# Altium PCB SMAQ_PCB_Design.PcbDoc (continued)
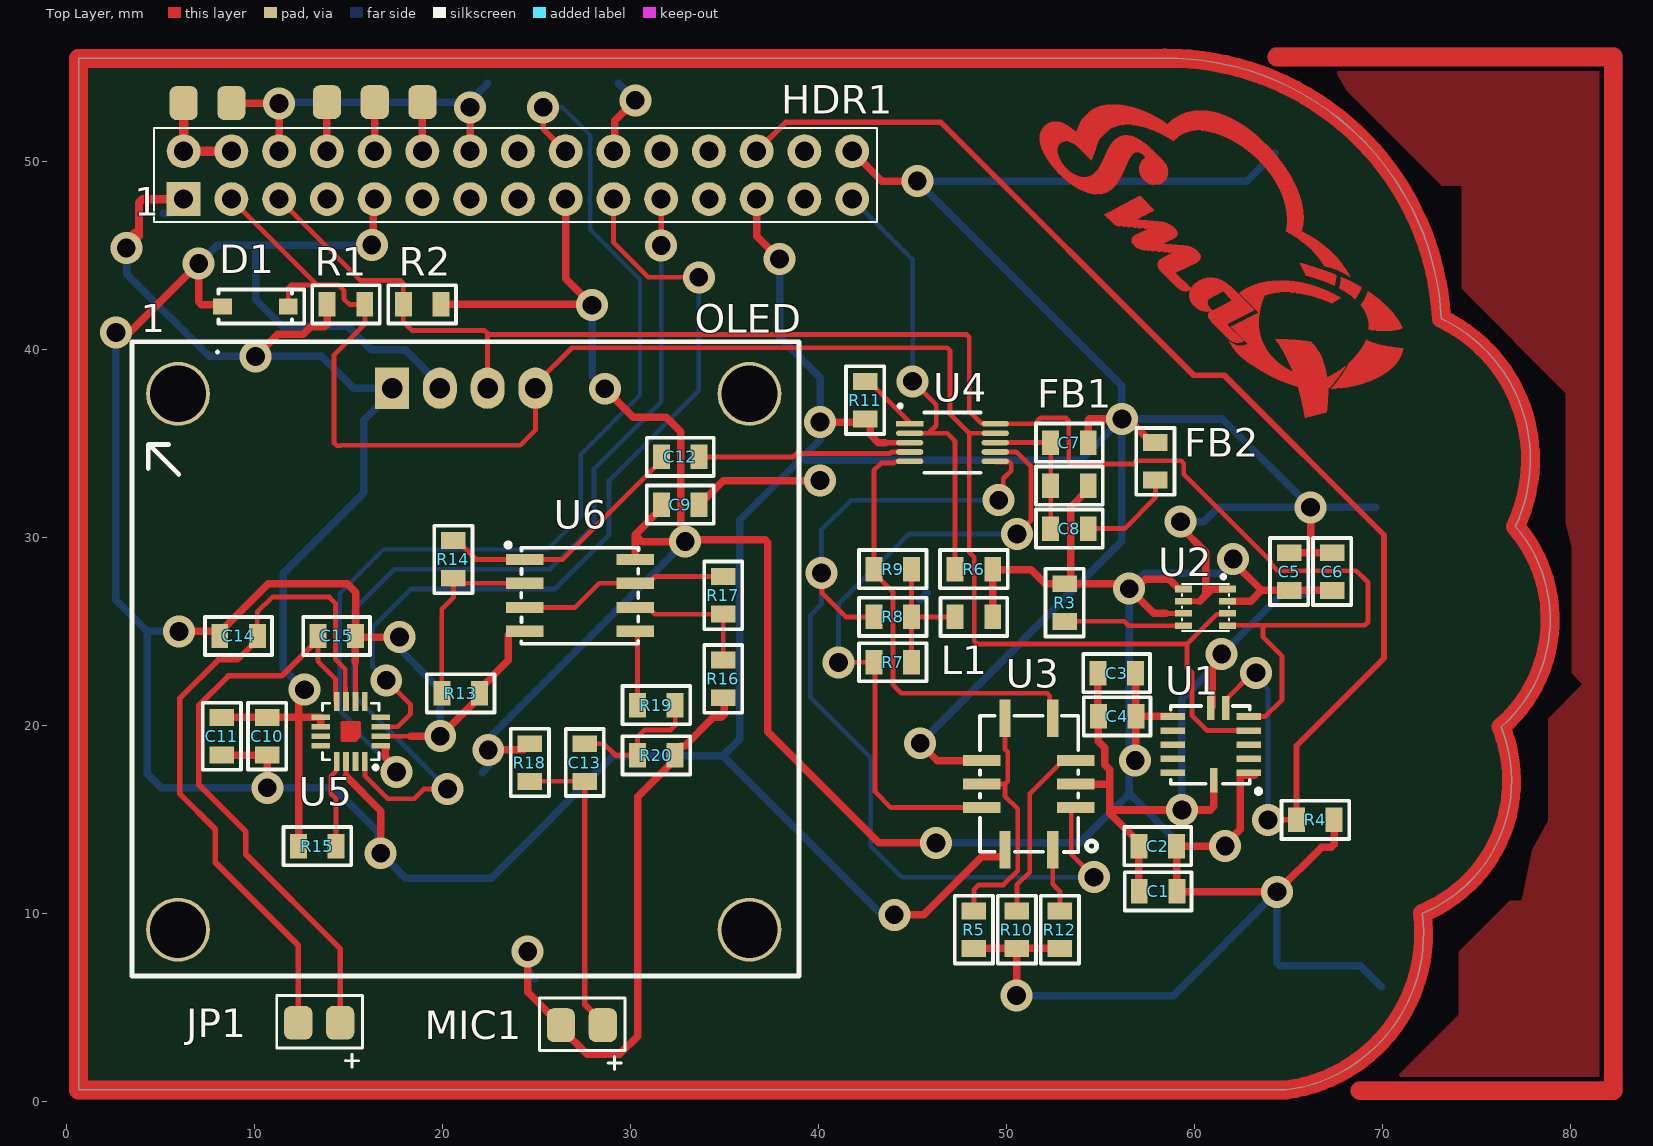
[diagram p0: Top Layer view]
## Part data (continued)
U5: library part MAX98357AETE+T, "IC AUDIO AMP CLASS D 16-TQFN", Manufacturer 1=Maxim, Max Operating Temperature=85°C, Max Output Current=1.6A, Max Output Power=3.2W, Max Power Dissipation=1.666W, Max Supply Voltage=5.5V, Min Operating Temperature=-40°C, Min Supply Voltage=2.5V, Power Supply Rejection Ratio (PSRR)=77dB, Supplier Part Number 1=700-MAX98357AETE+T, Voltage Gain=15dB, Category 1="Amplifiers - Audio", ComponentLink1Description=https://datasheet.ciiva.com/29970/max98357a-max98357b-29970280.pdf?src-supplier=Avnet, ComponentLink1URL=https://datasheet.ciiva.com/29970/max98357a-max98357b-29970280.pdf?src-supplier=Avnet, Contact Plating=Tin,Matte, Description 1="IC AUDIO AMP CLASS D 16-TQFN", Manufacturer Part Number 1=MAX98357AETE+T, Mount="Surface Mount", Number of Pins=16, Packaging="Tape and Reel", Radiation Hardening=No, RoHS=Yes, Stock 1=6162, Supplier 1=Mouser
U6: library part LM358DR, "IC OPAMP GP 700KHZ 8SOIC", Case/Package=SOIC, Dual Supply Voltage=9V, Input Bias Current=250nA, Input Offset Voltage (Vos)=7mV, Manufacturer 1="Texas Instruments", Max Dual Supply Voltage=16V, Max Operating Temperature=70°C, Max Supply Voltage=32V, Min Dual Supply Voltage=1.5V, Min Operating Temperature=0°C, Min Supply Voltage=3V, Nominal Supply Current=1.2mA, Operating Supply Current=1mA, Output Current=30mA, Package Quantity=2500, Power Supply Rejection Ratio (PSRR)=65dB, Supplier Part Number 1=595-LM358DR, Voltage Gain=100dB, Bandwidth=700kHz, Category 1="Amplifiers - Op Amps, Buffer, Instrumentation", Common Mode Rejection Ratio=65dB, ComponentLink1Description=https://datasheet.ciiva.com/1795/lm358-1795488.pdf?src-supplier=Digi-Key, ComponentLink1URL=https://datasheet.ciiva.com/1795/lm358-1795488.pdf?src-supplier=Digi-Key, ComponentLink2Description=https://datasheet.ciiva.com/27056/2016330-27056228.pdf?src-supplier=Jameco, ComponentLink2URL=https://datasheet.ciiva.com/27056/2016330-27056228.pdf?src-supplier=Jameco, ComponentLink3Description=https://datasheet.ciiva.com/26847/lm358dr-26847142.pdf?src-supplier=IIIC, ComponentLink3URL=https://datasheet.ciiva.com/26847/lm358dr-26847142.pdf?src-supplier=IIIC, ComponentLink4Description=https://datasheet.ciiva.com/2973/lm358a-2973386.pdf?src-supplier=Avnet, ComponentLink4URL=https://datasheet.ciiva.com/2973/lm358a-2973386.pdf?src-supplier=Avnet, ComponentLink5Description=https://datasheet.ciiva.com/46390/1874566-46390414.pdf?src-supplier=Element14, ComponentLink5URL=https://datasheet.ciiva.com/46390/1874566-46390414.pdf?src-supplier=Element14, ComponentLink6Description=https://datasheet.ciiva.com/7709/1874566-7709823.pdf?src-supplier=Element14, ComponentLink6URL=https://datasheet.ciiva.com/7709/1874566-7709823.pdf?src-supplier=Element14, ComponentLink7Description=https://datasheet.ciiva.com/1795/lm358-1795489.pdf?src-supplier=Digi-Key, ComponentLink7URL=https://datasheet.ciiva.com/1795/lm358-1795489.pdf?src-supplier=Digi-Key, ComponentLink8Description=https://datasheet.ciiva.com/46385/1874566-46385851.pdf?src-supplier=Element14, ComponentLink8URL=https://datasheet.ciiva.com/46385/1874566-46385851.pdf?src-supplier=Element14, ComponentLink9Description=https://datasheet.ciiva.com/1795/lm358-1795487.pdf?src-supplier=Digi-Key, ComponentLink9URL=https://datasheet.ciiva.com/1795/lm358-1795487.pdf?src-supplier=Digi-Key, Contact Plating=Gold, Description 1="IC OPAMP GP 700KHZ 8SOIC", Gain Bandwidth Product=700kHz, Height=1.58mm, Lead Free="Lead Free", Length=4.9mm, Manufacturer Part Number 1=LM358DR, Mount="Surface Mount", Number of Amplifiers=2, Number of Channels=2, Number of Circuits=2, Number of Elements=2, Number of Pins=8, Operating Supply Voltage=16V, Output Current per Channel=30mA, Packaging="Tape and Reel", Radiation Hardening=No, REACH SVHC="No SVHC", RoHS=Yes, Slew Rate=0.3V/µs, Stock 1=15836, Supplier 1=Mouser, Unity Gain Bandwidth Product=700kHz, Width=3.91mm

## Free pads (board coordinates)
  rrect50% 1.5x1.8 smd mask+0.05: 2(6.223,53.125) 3(13.843,53.175) 4(16.389,53.175) 5(18.923,53.175) 6(8.763,53.125)

## Via types
v1: diameter 1.7, hole 1, Top Layer to Bottom Layer, 51 vias

## Nets (pads, with @x,y where several pads share a name; then routed paths per layer and width w, separated by ;. In a path a pad name is that pad's centre, name@x,y a point inside that pad or via, vN(x,y) a via of type N, cw(c..) or ccw(c..) an arc to the next point about the centre after c; other vN are vias at no path point)
+3V3: C1.2 C2.2 C3.2 C4.1 C5.2 C6.2 C9.1 C10.2 C11.2 FB1.2 HDR1.1 HDR1.17 L1.1 OLED.1 R1.2 R2.2 R3.2 R4.2 R5.1 R6.2 R10.2 R12.2 R15.2 R18.2 U1.1 U1.7 U2.2 U2.6 U2.8 U5.7 U5.8 U6.8 | length 269.9
  Top Layer w0.254: 58.475,25.98 U2.6
  Top Layer w0.4: C11.2 10.664,20.447 C10.2 10.672,20.447 11.85,20.447 11.854,20.451 12.35,20.451 ; v1(10.05,39.65) 11.225,40.825 12.575,40.825 12.975,41.225 13.71,41.225 13.859,41.374 R1.2 ; R15.2 12.335,20.436 12.35,20.451 ; v1@12.35,21.35 12.35,20.451 ; U5.7@13.513,20.001 U5.8 12.35,20.451 ; R2.2 27.907,42.418 26.543,43.782 HDR1.17 ; v1(22.425,18.722) 24.31,18.722 R18.2 ; v1(28.625,37.931) 30.131,36.425 31.9,36.425 32.675,35.65 32.675,30.025 v1(32.9,29.8) ; U6.8 30.235,30.162 ; C9.1 31.639,31.566 30.235,30.162 ; v1(46.25,13.775) 43.2,13.775 37.3,19.675 37.3,29.743 37.151,29.892 32.992,29.892 v1(32.9,29.8) ; R5.1 R10.2 ; L1.1 R6.2 49.297,28.3 51.3,28.3 52.041,27.559 R3.2 R3.2@53.15,27.559 ; v1(50.525,5.65) 50.525,8.139 R10.2 ; R12.2 R10.2 ; FB1.2 54.34,32.582 53.4,31.642 53.4,27.809 R3.2@53.15,27.559 ; v1(56.837,18.157) 56.875,18.195 C4.1 ; C3.2 56.875,22.775 C4.1 ; 58.475,25.98 57.834,25.98 v1(56.519,27.294) ; U1.7 C4.1 ; U2.8@59.154,27.305 58.65,27.809 57.386,27.809 56.871,27.294 v1(56.519,27.294) ; U2.2@62.004,26.63 62.975,26.63 63.555,27.21 ; v1(62.05,28.875) 62.05,28.715 63.555,27.21 ; U1.1@62.435,17.475 U1.1@62.435,17.375 ; U1.1@63.2,17.4 63.175,17.375 U1.1@62.435,17.375 ; C6.2 C5.2 63.555,27.21 ; R4.2 67.421,13.699 67.272,13.55 66.75,13.55 v1(64.375,11.175) 59.072,11.175 C1.2 59.039,11.208 C2.2 59.079,13.645 59.079,13.765 59.239,13.605 v1(61.625,13.605) 61.625,13.68 62.435,14.489 U1.1@62.435,17.375 ; 30.235,30.162 30.597,29.8 v1(32.9,29.8) ; R3.2@53.15,27.559 56.255,27.559 v1(56.519,27.294)
  Top Layer w0.45: v1(3.175,45.425) 3.175,45.763 3.65,46.238 ; 3.85,46.038 3.85,47.825 4.047,48.022 HDR1.1
  Bottom Layer w0.4: v1(3.175,45.425) 3.175,45.325 3.2,45.3 3.2,44.025 7.575,39.65 v1(10.05,39.65) 13.575,39.65 15.265,37.96 OLED.1 17.312,37.76 15.8,36.248 15.8,32.4 11.525,28.125 11.525,23.05 v1(12.65,21.925) ; 5.137,47.277 5.478,47.277 HDR1.1 ; 22.1,17.515 22.425,17.84 v1(22.425,18.722) 22.425,19.325 v1(32.9,29.8) ; v1(27.95,42.375) 27.95,38.606 v1(28.625,37.931) ; v1(46.25,13.775) 53.9,13.775 56.519,16.394 56.519,16.406 ; v1(50.525,5.65) 58.85,5.65 v1(64.375,11.175) 64.375,7.399 64.524,7.25 68.8,7.25 69.925,6.125 ; v1(56.837,18.157) 56.825,18.157 v1@56.519,18.462 ; v1(61.625,13.605) 59.32,13.605 56.519,16.406 ; v1(62.05,28.875) 61.3,28.125 57.35,28.125 v1(56.519,27.294) v1@56.519,18.462 ; 56.519,16.406 v1@56.519,18.462
+5V: HDR1.2 HDR1.4 pad.2 | length 5.4
  Top Layer w0.4: pad.2 6.303,53.098 pad.2@6.46,53.045
  Top Layer w0.5: pad.2 HDR1.2 HDR1.4
AI0: C12.2 U4.4 | length 11.3
  Top Layer w0.254: C12.2 38.66,34.306 38.841,34.487 43.791,34.487 43.864,34.56 44.246,34.56 44.262,34.576 U4.4@44.842,34.576
ALERT: HDR1.29 R6.1 U4.2 | length 23.9
  Top Layer w0.254: U4.2 45.842,35.568 ; v1(45,38.325) 46.25,37.075 46.25,35.976 45.842,35.568 ; R6.1 47.26,35.149 46.841,35.568 45.842,35.568
  Bottom Layer w0.254: HDR1.29 45,44.805 v1(45,38.325)
BCLK: HDR1.18 U5.16 | length 55.8
  Top Layer w0.254: v1@17.435,17.54 v1(17.55,17.54)
  Top Layer w0.3: v1(25.35,52.9) 25.35,51.755 HDR1.18
  Top Layer w0.4: 17,18.8 16.956,18.756 16.956,18.347 17.435,17.868 v1@17.435,17.54
  Bottom Layer w0.15: HDR1.18@26.543,50.282 HDR1.18
  Bottom Layer w0.225: v1(17.55,17.54) 17.55,17.578 15.563,19.565 15.563,19.79 14.525,20.828 14.525,27.05 16.85,29.375 25.575,29.375 27.35,31.15 27.35,34.45 30.5,37.6 30.5,43.75 27.916,46.334 27.85,46.4 27.85,47.733 cw(c29.083,48.022) 27.85,48.311 27.85,50.273 cw(c29.083,50.562) 27.85,50.851 27.85,51.425 27.784,51.491 27.225,52.05 26.375,52.9 v1(25.35,52.9)
CO: R7.1 U3.8 U4.7 | length 34.9
  Top Layer w0.254: v1(41.05,23.375) 41.059,23.384 R7.1 43,23.326 43,16.5 43.843,15.657 U3.8@48.931,15.657 ; U4.7@49.825,34.568 50.515,34.568 51.3,33.783 51.3,30.95 v1(50.55,30.2)
  Bottom Layer w0.254: v1(41.05,23.375) 41.05,26.461 44.789,30.2 v1(50.55,30.2)
DIN: HDR1.21 U5.1 | length 51
  Top Layer w0.254: U5.1 15.863,17.34 17.08,16.123 18.482,16.123 18.993,16.634 v1(20.262,16.634)
  Top Layer w0.3: v1(31.623,45.558) HDR1.21
  Bottom Layer w0.254: v1(20.262,16.634) 20.262,16.638 15.275,21.625 15.275,26.175 17.425,28.325 25.707,28.325 28.058,30.676 28.058,33.683 31.623,37.248 v1(31.623,45.558)
GND: C1.1 C2.1 C3.1 C4.2 C5.1 C6.1 C7.1 C9.2 C10.1 C11.1 C14.1 C15.1 D1.1 FB2.2 HDR1.6 HDR1.9 HDR1.14 HDR1.20 HDR1.25 HDR1.30 MIC1.2 OLED.2 pad.6 R11.1 R13.1 R16.1 R20.1 U1.12 U1.13 U2.1 U2.7 U3.2 U3.6 U3.9 U4.3 U5.3 U5.11 U5.15 U6.4 | length 434.8
  Top Layer w0.254: 14.863,17.312 U5.3 ; 15.363,23.389 15.363,21.309 U5.11@15.371,21.301 ; U5.15@16.839,19.443 18.287,19.443 18.295,19.451
  Top Layer w0.3: 43.55,35.068 U4.3@44.542,35.068 ; U2.7 60.278,26.63
  Top Layer w0.4: v1(2.618,40.925) 3.35,40.925 v1(7.025,44.6) 7.032,44.593 7.032,44.382 7.025,44.375 7.025,42.549 7.174,42.4 8.19,42.4 D1.1 ; v1(5.975,25.025) 8.1,25.025 8.144,24.981 10.713,27.55 14.925,27.55 15.371,27.104 15.371,24.789 C15.1 C15.1@15.363,24.581 ; C11.1 10.664,18.447 C10.1 10.672,18.447 v1(10.672,16.705) ; pad.6 8.775,53.112 11.291,53.112 v1(11.303,53.1) HDR1.6 ; 14.863,17.312 16.704,15.471 v1(16.704,13.225) ; 15.363,23.389 C15.1@15.363,24.581 ; v1(16.234,45.575) 16.309,45.649 16.309,47.948 HDR1.9 ; v1(17.7,24.725) 15.507,24.725 C15.1@15.363,24.581 ; 18.295,19.451 v1(19.873,19.451) 21.955,21.533 R13.1 21.955,21.933 23.502,23.48 23.502,24.857 23.675,25.03 U6.4 ; HDR1.14 v1(21.463,52.9) ; v1(24.525,8) 24.525,5.844 MIC1.2 26.289,3.93 27.694,2.525 29.4,2.525 30.375,3.5 30.375,16.237 32.369,18.231 R20.1 32.369,18.631 32.692,18.954 32.892,18.954 34.388,20.45 34.826,20.45 34.975,20.599 34.975,21.445 R16.1 ; HDR1.20 29.149,50.628 29.149,52.174 v1(30.25,53.275) ; C9.2 34.923,33.05 v1(40.075,33.05) ; HDR1.25 36.703,46.047 v1(37.925,44.825) ; v1(40.075,36.158) 42.308,36.158 R11.1 42.485,36.325 42.735,36.075 42.735,35.509 43.176,35.068 43.55,35.068 ; HDR1.30 43.37,48.975 v1(45.25,48.975) ; v1(44.025,9.95) 45.6,9.95 48.684,13.034 49.738,13.034 49.911,13.207 U3.9 U3.9@49.911,13.657 ; v1(45.4,19.075) 46.318,18.157 U3.6 U3.6@48.931,18.157 ; U3.2 55.443,16.907 ; C7.1 54.34,36.274 54.388,36.322 v1(56.134,36.322) 56.458,36.322 57.712,35.068 FB2.2 ; C3.1 54.85,20.525 C4.2 54.875,19.181 55.228,18.829 55.228,17.922 55.484,17.665 55.484,16.948 55.443,16.907 ; C1.1 57.039,11.208 C2.1 57.039,13.805 55.484,15.359 ; v1(59.246,30.86) 59.246,30.579 60.601,29.225 60.601,26.952 ; 60.278,26.63 60.601,26.952 ; U1.12@60.859,20.946 U1.12 60.928,21.023 60.928,23.026 61.44,23.538 v1(61.44,23.82) ; U1.13 61.025,15.725 60.825,15.525 v1(59.32,15.525) 55.65,15.525 55.484,15.359 ; U2.1 61.749,27.275 60.923,27.275 60.601,26.952 ; C5.1 66.018,29.21 ; v1(66.167,31.623) 66.167,29.359 66.018,29.21 ; C6.1 66.018,29.21 ; 55.443,16.907 55.484,16.866 55.484,15.359
  Bottom Layer w0.4: v1(2.618,40.925) 2.618,26.707 4.3,25.025 ; v1(5.975,25.025) 4.3,25.025 ; v1(7.025,44.6) 8,45.575 10.05,45.575 ; v1(11.303,53.1) 11.378,53.175 v1@21.4,53.175 ; v1(16.234,45.575) 10.05,45.575 ; v1(17.7,24.725) 17.549,24.725 17.312,24.488 19.873,21.927 v1(19.873,19.451) ; OLED.2 19.852,38.16 18.012,40 16.2,40 14.95,41.25 11.462,41.25 10.05,42.662 10.05,45.575 ; v1(21.463,52.9) 21.463,53.112 v1@21.4,53.175 ; 22.4,54.175 v1@21.4,53.175 ; v1(24.525,8) 24.525,6.937 24.9,6.562 ; 29.35,54.175 v1(30.25,53.275) ; v1(37.925,44.825) 37.925,40.666 40.075,38.516 v1(40.075,36.158) 40.075,35.226 39.15,34.301 ; v1(44.025,9.95) 43.35,9.95 34.9,18.4 ; v1(45.4,19.075) 56.134,29.809 v1(56.134,36.322) ; 45.4,26.7 45.775,27.075 ; v1(59.246,30.86) 60.485,30.86 61.248,31.623 v1(66.167,31.623) ; v1(59.32,15.525) 59.32,21.418 61.44,23.538 v1(61.44,23.82) 64.62,27 66.018,27 66.167,27.149 v1(66.167,31.623) ; 64.25,50.45 62.775,48.975 v1(45.25,48.975) 56.134,38.091 v1(56.134,36.322) ; 69.644,31.623 v1(66.167,31.623) ; 4.3,25.025 4.3,17.45 5.045,16.705 v1(10.672,16.705) 14.201,16.705 16.567,14.338 16.567,13.362 18.029,11.9 22.575,11.9 29.075,18.4 34.9,18.4 ; 34.9,18.4 35.8,19.3 35.8,30.951 36.775,31.925 39.15,34.301 ; 39.15,34.301 39.326,34.125 53.937,34.125 v1(56.134,36.322) ; v1(56.134,36.322) 61.468,36.322 v1(66.167,31.623)
I2C_SCL: HDR1.5 OLED.3 R2.1 U1.5 U2.4 U4.10 | length 91.1
  Top Layer w0.254: HDR1.5 15.637,43.688 17.758,43.688 17.907,43.539 R2.1 17.907,41.506 18.388,41.025 22.243,41.025 22.392,40.876 22.392,40.817 ; OLED.3 22.392,40.817 ; U4.10 51.491,36.068 51.798,36.375 53.151,36.375 53.3,36.226 53.3,34.074 53.449,33.925 56.725,33.925 56.9,34.1 59.276,34.1 59.425,33.951 59.425,33.373 64.047,28.751 64.047,28.625 64.422,28.25 68.6,28.25 69.225,27.625 69.225,25.525 69.05,25.35 63.753,25.35 ; U4.10@49.392,36.099 48.641,36.099 48.006,36.734 48.006,40.668 47.857,40.817 22.392,40.817 ; U2.4 61.802,25.282 U2.4@61.935,25.282 ; U2.4@61.935,25.35 63.629,25.35 63.753,25.35 ; U1.5 63.75,20.5 64.65,21.4 64.65,23.713 63.629,24.733 63.629,25.226 63.753,25.35
I2C_SDA: D1.2 HDR1.3 OLED.4 R1.1 U1.4 U2.3 U4.9 | length 94.9
  Top Layer w0.254: HDR1.3 13.336,43.449 ; D1.2 11.783,43.3 11.932,43.449 13.336,43.449 ; 48.638,35.568 48.006,35.568 ; U2.3 61.706,25.932 61.17,25.932 59.588,24.35 ; U1.4 60.666,19.75 59.866,20.55 59.866,22.822 59.588,23.1 59.588,24.35 ; 13.336,43.449 14.467,43.449 14.747,43.168 14.747,42.699 15.028,42.418 R1.1 15.875,42.402 15.875,41.387 14.224,39.736 14.224,35.052 14.373,34.903 14.583,34.903 14.605,34.925 24.13,34.925 24.932,35.727 OLED.4 24.932,38.16 26.881,40.109 46.841,40.109 46.99,39.96 46.99,36.584 48.006,35.568 ; 48.006,35.568 48.006,29.23 48.278,28.958 48.278,24.499 48.427,24.35 59.588,24.35
LRCLK: HDR1.19 U5.14 | length 45.1
  Top Layer w0.254: U5.14 17.601,19.951 18.295,20.645 18.295,21.13 v1(17,22.425) ; HDR1.19@29.083,47.892 29.083,45.717 30.939,43.861 v1(33.625,43.861)
  Bottom Layer w0.254: v1(17,22.425) 16.275,23.15 16.275,25.25 18.3,27.275 25.95,27.275 28.85,30.175 28.85,33.047 33.625,37.822 v1(33.625,43.861)
NetC7_2: C7.2 C8.2 FB1.1 U4.8 | length 7.3
  Top Layer w0.254: U4.8@49.642,35.076 51.157,35.076 51.165,35.068 C7.2 FB1.1 C8.2
NetC8_1: C8.1 FB2.1 | length 5.2
  Top Layer w0.254: C8.1 56.271,30.496 57.912,32.137 FB2.1
NetC12_1: C12.1 R14.2 U6.1 | length 13.9
  Top Layer w0.254: R14.2 20.774,29.85 21.774,28.85 U6.1 26.383,28.85 31.639,34.106 C12.1
NetC13_1: C13.1 MIC1.1 R18.1 | length 16.3
  Top Layer w0.254: R18.1 C13.1 ; MIC1.1 MIC1.1@28.519,4.23
  Top Layer w0.3: C13.1 27.559,5.19 MIC1.1@28.519,4.23
NetC13_2: C13.2 R19.2 R20.2 | length 7.4
  Top Layer w0.254: C13.2 28.575,19.05 29.195,18.43 29.537,18.43 ; 29.538,18.431 R20.2 30.369,19.419 30.725,19.775 32.119,19.775 32.369,20.025 R19.2
NetL1_2: L1.2 R7.2 R8.2 R9.2 | length 7.3
  Top Layer w0.254: R7.2 R8.2 ; R9.2 R8.2 ; L1.2 R8.2
NetR3_1: R3.1 U2.5 | length 6.4
  Top Layer w0.254: R3.1 56.255,25.559 56.484,25.33 U2.5
NetR5_2: R5.2 U3.5 U3.7 | length 13.1
  Top Layer w0.254: R5.2 48.26,11.288 48.513,11.541 49.828,11.541 50.592,12.305 50.592,15.585 49.911,16.266 49.911,16.907 ; U3.7@48.931,16.907 49.911,16.907 ; U3.5@49.911,20.157 49.911,18.766 50.062,18.615 50.062,17.058 49.911,16.907
NetR10_1: R10.1 U3.3 | length 9.5
  Top Layer w0.254: R10.1 50.546,11.541 51.225,12.22 51.225,16.401 52.981,18.157 U3.3@53.431,18.157
NetR11_2: R11.2 U4.1 | length 3.3
  Top Layer w0.254: R11.2 42.675,38.325 44.842,36.158 U4.1@44.842,36.099
NetR12_1: R12.1 U3.10 | length 3.7
  Top Layer w0.254: U3.10@52.451,13.657 52.451,11.573 52.832,11.192 R12.1
NetR13_2: R13.2 R14.1 U6.2 | length 10.3
  Top Layer w0.254: R13.2 19.955,26.206 20.574,26.825 R14.1 20.844,27.58 U6.2
NetR15_1: R15.1 U5.4 | length 4.7
  Top Layer w0.254: R15.1 14.335,16.113 14.05,16.398 14.05,17.321 14.34,17.611 U5.4@14.34,18.101
NetR16_2: R16.2 R17.2 U6.6 | length 7.3
  Top Layer w0.254: U6.6 30.935,26.3 31.295,25.94 R17.2 R16.2
NetR17_1: R17.1 U6.3 U6.7 | length 11.2
  Top Layer w0.254: U6.3 27.05,26.3 28.33,27.58 U6.7 30.935,27.58 31.295,27.94 R17.1
NetR19_1: R19.1 U6.5 | length 4
  Top Layer w0.254: U6.5 30.369,24.896 R19.1
NH3: R9.1 U3.4 U4.5 | length 24
  Top Layer w0.254: U4.5 44.826,34.052 44.074,34.052 44.001,33.979 43.329,33.979 42.942,33.592 R9.1 42.942,28.137 43.95,27.129 43.95,22.175 44.391,21.734 52.15,21.734 52.298,21.585 52.298,20.31 U3.4@52.451,20.157
NO2: R8.1 U3.1 U4.6 | length 52.7
  Top Layer w0.254: v1(40.15,28.137) 40.181,28.106 40.181,27.055 41.439,25.797 R8.1 ; U4.6@49.392,34.037 50.146,34.037 50.244,33.939 50.244,33.577 49.825,33.158 49.825,32.313 49.577,32.065 v1(49.577,32.002) ; U3.1@53.431,15.657 53.431,13.169 v1(54.65,11.95)
  Bottom Layer w0.254: v1(49.577,32.002) 41.727,32.002 40.15,30.425 40.15,26.461 39.55,25.861 39.55,21.525 42.775,18.3 42.775,13.6 44.425,11.95 v1(54.65,11.95)
OUT+: C15.2 JP1.1 U5.9 | length 31.7
  Top Layer w0.254: C15.2 13.363,24.581 13.363,23.441 14.3,22.504 14.3,21.364 14.332,21.332 U5.9@14.332,21.301
  Top Layer w0.3: C15.2@13.363,24.581 11.44,22.658 8.606,22.658 7.025,21.077 7.025,16.875 9.527,14.373 9.527,13.173 14.549,8.151 JP1.1
OUT-: C14.2 JP1.2 U5.10 | length 36.8
  Top Layer w0.254: C14.2@10.144,24.581 C14.2 10.144,26.063 10.931,26.85 13.975,26.85 14.3,26.525 14.3,23.538 14.825,23.013 14.825,22.028 14.84,22.013 U5.10@14.84,21.324
  Top Layer w0.3: C14.2@10.144,24.581 9.075,23.512 8.062,23.512 6.025,21.475 6.025,16.38 7.903,14.502 7.903,12.747 12.319,8.331 JP1.2
VCNL_INT: HDR1.26 R4.1 U1.6 | length 72.4
  Top Layer w0.254: U1.6 61.655,21.4 63.077,22.822 v1(63.268,22.822) ; R4.1 R4.1
  Top Layer w0.3: HDR1.26 38.241,52.1 46.5,52.1 59.95,38.65 61.575,38.65 70.075,30.15 70.075,23.597 65.421,18.943 R4.1 ; v1(63.9,15) R4.1
  Bottom Layer w0.254: v1(63.268,22.822) 63.268,22.582 63.9,21.95 v1(63.9,15)
pads on no net: HDR1.7 HDR1.8 HDR1.10 HDR1.11 HDR1.12 HDR1.13 HDR1.15 HDR1.16 HDR1.22 HDR1.23 HDR1.24 HDR1.27 HDR1.28 OLED.5 U1.2 U1.8 U1.9 U1.10 U1.11 U5.2 U5.5 U5.6 U5.12 U5.13
copper on no net: | length 1178.5
  Top Layer w0.4: 13.843,50.562 13.843,53.175 ; 16.383,50.562 16.389,50.568 16.389,53.175 ; 18.923,50.562 18.923,53.175
  Top Layer w1: 57.308,55.499 59.182,55.499 ; 64.364,55.577 82.27,55.577 82.27,0.602 ; 68.795,0.587 82.255,0.587 ; 82.16,0.635 82.175,0.65 ; 0.635,0.635 64.77,0.635 ; 0.635,0.635 0.635,55.499 ; 0.635,0.635 64.77,0.635 ; 0.635,0.635 0.635,55.499 ; 0.635,0.635 0.635,55.499 ; 0.635,0.635 64.77,0.635 ; 0.635,55.499 57.658,55.499 ; 0.635,55.499 57.658,55.499 ; 0.635,55.499 57.658,55.499 ; 57.758,55.499 cw(c58.52,40.894) 73.125,41.656 ; 57.758,55.499 cw(c58.52,40.894) 73.125,41.656 ; 57.758,55.499 cw(c58.52,40.894) 73.125,41.656 ; 64.87,0.635 ccw(c63.79,8.954) 72.109,10.033 ; 64.87,0.635 ccw(c63.79,8.954) 72.109,10.033 ; 64.87,0.635 ccw(c63.79,8.954) 72.109,10.033 ; 72.109,10.033 ccw(c69.251,17.081) 76.3,19.939 ; 72.109,10.033 ccw(c69.251,17.081) 76.3,19.939 ; 72.109,10.033 ccw(c69.251,17.081) 76.3,19.939 ; 73.125,41.656 cw(c69.569,34.163) 77.062,30.607 ; 73.125,41.656 cw(c69.569,34.163) 77.062,30.607 ; 73.125,41.656 cw(c69.569,34.163) 77.062,30.607 ; 76.3,19.939 ccw(c71.347,25.654) 77.062,30.607 ; 76.3,19.939 ccw(c71.347,25.654) 77.062,30.607 ; 76.3,19.939 ccw(c71.347,25.654) 77.062,30.607
  Bottom Layer w1: 57.658,55.499 0.635,55.499 0.635,0.635 64.77,0.635 ; 57.758,55.499 cw(c58.52,40.894) 73.125,41.656 cw(c69.569,34.163) 77.062,30.607 cw(c71.347,25.654) 76.3,19.939 cw(c69.251,17.081) 72.109,10.033 cw(c63.79,8.954) 64.87,0.635 ; 64.37,55.6 82.275,55.6 82.275,0.625 ; 68.8,0.61 82.26,0.61

## Polygon pours and split planes (outlines as drawn)
GND on Bottom Layer "GND_L02_P000" (solid, remove dead copper, pour order 0): 1.5,41.65 1.525,41.775 4.15,41.775 4.15,39.75 3.8,39.4 3.8,35.725 4.3,35.225 7.125,35.225 8.15,35.886 8.15,36.803 12.572,36.803 13.55,35.825 13.55,32.575 9.1,28.125 9.1,18.9 9.3,18.7 13.039,18.7 18.939,12.8 21.4,12.8 29.387,20.787 29.95,20.225 29.95,1.5 1.575,1.5 1.575,31.2 1.575,32.9
GND on Bottom Layer "GND_L02_P003" (solid, remove dead copper, pour order 3): 28.9,20.3 35.075,26.475 34.997,33.474 38.4,36.653 38.4,39.247 37.674,40.1 35.5,40.1 35.5,48.225 36.225,48.95 37.75,48.95 37.75,47.15 39,45.9 40.175,45.9 40.175,40.1 41.45,38.825 41.45,36.05 49.7,36.05 50.85,37.2 47.4,40.65 47.4,44.875 43.05,49.225 43.05,49.675 41,49.675 40.95,49.725 40.95,52.65 51.575,52.65 65.075,39.15 70.875,33.35 70.875,24.275 62.7,24.275 61.755,22.722 61.125,15.362 59.1,14.775 58.575,15.3 58.575,23.176 63.699,28.3 63.725,28.3 63.725,29.425 63.15,30 60.825,30 60.325,29.5 56.95,29.5 50.175,22.969 50.175,16.525 43.975,16.525 43.975,23.375 49.05,28.45 52.075,28.45 52.075,32.95 51.975,33.05 41.45,33.05 37.85,29.45 37.85,17.2 44.925,10.125 44.925,1.5 29.25,1.5 29.25,19.95
+3V3 on Bottom Layer "+3V3_L02_P001" (solid, remove dead copper, pour order 1): 5.97,46.407 6.387,46.825 7.1,46.825 7.1,48.975 1.45,48.975 1.45,42.193 4.563,42.193 4.563,40.612 5.4,39.775 6.875,39.775 8.15,38.5 8.15,37.66 12.812,37.66 14.325,36.147 14.325,32.325 9.7,27.7 9.7,19.225 13.179,19.225 18.88,13.525 21.275,13.525 21.275,13.55 34.417,26.692 34.417,31.665 33.216,32.866 21.275,20.925 21.275,16.69 20.294,15.709 17.766,15.709 15.875,17.6 15.875,18.382 15.875,18.538 13.613,20.962 13.817,21.692 13.817,27.717 18.15,32.05 18.15,38.668 17.793,39.025 15.225,39.025 14,40.25 11,40.25 9.925,41.325 7.825,41.325 4.375,44.775 6.425,46.825
+3V3 on Bottom Layer "+3V3_L02_P004" (solid, remove dead copper, pour order 4): 45.675,1.5 45.675,11.025 45.825,11.175 52.875,11.175 53.75,10.3 56.475,10.3 56.475,13.35 53.325,13.35 52.875,12.9 45.273,12.9 45.273,14.823 46.1,15.65 51.525,15.65 51.525,21.525 55.625,25.625 55.625,27.616 56.559,28.55 60.475,28.55 61.775,29.594 62.806,29.594 63.05,29.35 63.05,28.55 62.985,28.55 57.825,23.39 57.825,15.271 59.071,14.025 60.675,14.025 61.275,14.625 62.435,14.625 66.625,11.176 59.051,1.5
no net on Bottom Layer "NONET_L02_P026" (solid, pour order 26): 67.365,55.013 82.075,55.013 82.425,54.662 82.425,0.438 69.85,0.438 74.05,4.638 74.05,7.973 76.765,10.688 77.4,10.688 77.95,13.413 78.8,14.962 78.8,20.388 80.625,22.213 80.05,22.788 80.05,29.518 79.75,30.763 79.75,31.618 79.75,37.695 74.2,43.245 74.2,48.738 73.15,48.738 68.1,53.788
GND on Bottom Layer "GND_L02_P007" (solid, remove dead copper, pour order 7): 15.35,48.875 17.425,48.875 17.375,48.825 17.375,44.7 20.8,44.7 21.175,44.325 21.175,36.248 18.752,36.248 18.65,36.35 18.65,39.362 18.012,40 17.924,39.912 15.663,39.912 14.55,41.025 11.704,41.025 10.329,42.4 7.91,42.4 5.762,44.548 5.762,45.575 7.154,45.575 8.079,46.5 15.325,46.5
+3V3 on Bottom Layer "+3V3_L02_P024" (solid, remove dead copper, pour order 24): 27.225,48.022 27.2,47.997 27.2,45.558 29.083,43.675 29.083,40.109 28.291,40.109 26.875,41.525 22.5,41.525 22.5,44.338 23.062,44.9 25.2,44.9 25.575,45.275 25.575,48.95 27.225,48.95
GND on Bottom Layer "GND_L02_P022" (solid, remove dead copper, pour order 22): 72.025,40.9 72.1,40.975 74.25,40.975 77.2,38.025 77.2,35.95 77.625,35.525 77.625,32.025 76.962,31.362 76.962,30.238 78.6,28.6 78.6,23.125 77.4,21.925 77.4,20.875 76.425,19.9 76.675,19.65 76.675,14.522 75.025,12.872 75.025,12.25 74.8,12.25 73.275,10.775 71.925,12.25 71.925,27.089 67.575,31.75
+3V3 on Bottom Layer "+3V3_L02_P023" (solid, remove dead copper, pour order 23): 70.451,12.124 72.009,10.566 72.009,6.534 71.125,5.65 71.125,4.5 68.474,1.849 67.649,1.849 67.324,1.849 65.175,1.5
GND on Bottom Layer "GND_L02_P021" (solid, remove dead copper, pour order 21): 58.625,54.45 64.65,54.45 66.85,52.25 67.775,52.25 70.95,49.075 70.95,47.775 72.45,46.275 73.025,41.656 72.025,40.057
GND on Bottom Layer "GND_L02_P020" (solid, remove dead copper, pour order 20): 60.483,22.582 60.739,22.326 61.622,22.326 61.622,22.258 62.745,21.135 62.745,17.02 61.575,15.85
GND on Bottom Layer "GND_L02_P018" (solid, remove dead copper, pour order 18): 61.754,22.92 61.724,22.89 61.674,15.949 60.774,14.974 59.099,14.974
GND on Bottom Layer "GND_L02_P017" (solid, remove dead copper, pour order 17): 43.875,22.45 43.875,27.75 44.675,28.55 49.975,28.55
GND on Bottom Layer "GND_L02_P016" (solid, remove dead copper, pour order 16): 54.102,27.2 54.102,25.559 54.084,25.559 49.25,20.725 48.95,21.025 48.95,23.25
no net on Bottom Layer "NONET_L02_P015" (solid, remove dead copper, pour order 15): 70.725,45.425
+3V3 on Bottom Layer "+3V3_L02_P013" (solid, remove dead copper, pour order 13): 26.9,43.675 29.083,43.675 29.75,43.008 29.75,37.875 28.775,36.9 26.9,36.9 26.9,43.318
GND on Bottom Layer "GND_L02_P012" (solid, remove dead copper, pour order 12): 43.9,54.6 61.25,54.6 72.05,43.175 72.05,33.85 75.4,30.5 75.25,30.35 75.25,15.575 71.925,12.25 69.6,14.575 65.65,14.575 65.275,14.95 65.275,36.75 63.075,38.95 61.322,38.95
no net on Bottom Layer "NONET_L02_P011" (solid, remove dead copper, pour order 11): 45.756,54.6
no net on Bottom Layer "NONET_L02_P010" (solid, remove dead copper, pour order 10): 28.625,43.675
GND on Bottom Layer "GND_L02_P008" (solid, remove dead copper, pour order 8): 1.45,49.475 1.45,54.5 1.55,54.6 45.55,54.6 47.65,52.5 31,52.5 30.875,52.375 29.025,52.375 27.45,53.95 23.725,53.95 22.675,52.9 22.675,49.625 20.375,49.625 20.35,49.65 20.35,52.35 12.725,52.35 12.3,51.925 12.3,49.725 10.25,49.725 10.275,49.75 10.275,52.35 4.775,52.35 4.425,52 4.425,49.5
GND on Bottom Layer "GND_L02_P006" (solid, remove dead copper, pour order 6): 19.873,18.722 19.278,18.722 18.216,19.784 18.216,22.809 17,24.025 17,25.1 17.475,25.575 20,25.575 20.659,24.916 20.659,19
+3V3 on Bottom Layer "+3V3_L02_P005" (solid, remove dead copper, pour order 5): 59.051,1.5 65.175,1.5 70.725,7.05 70.725,11.85 68.875,13.605 68.78,13.605 63.659,13.605
no net on Bottom Layer "NONET_L02_P002" (solid, remove dead copper, pour order 2): 28.8,20.4
no net on Top Layer "NONET_L01_P027" (solid, pour order 27): 67.365,55.013 82.075,55.013 82.425,54.662 82.425,0.438 69.85,0.438 74.05,4.638 74.05,7.973 76.765,10.688 77.4,10.688 77.95,13.413 78.8,14.962 78.8,20.388 80.625,22.213 80.05,22.788 80.05,29.518 79.75,30.763 79.75,31.618 79.75,37.695 74.2,43.245 74.2,48.738 73.15,48.738 68.1,53.788

## Other copper
Top Layer:
  region: 6292 vertices and 0 holes, not listed, extent 51.754,43.854 68.281,53.049
  region: 1437 vertices and 0 holes, not listed, extent 67.267,37.945 71.107,40.549
  region: 348 vertices and 0 holes, not listed, extent 67.687,42.7 68.87,43.877
  region: 4165 vertices and 0 holes, not listed, extent 61.842,36.394 68.025,43.685
  region: 3402 vertices and 1 holes, not listed, extent 55.198,40.38 63.165,48.189
  region: 536 vertices and 0 holes, not listed, extent 65.595,43.416 67.529,44.623
  region: 664 vertices and 0 holes, not listed, extent 68.829,41.01 71.043,43.119

## Silkscreen, mask and mechanical layers (free items; w line width, h text height)
Bottom Overlay:
  drawing of 27 lines, arcs and shapes, not listed
  text "MADE IN UK" at 17.421,2.404 h1.52
Mechanical 2:
  rectangle: 0,0 83.2,56.55
Mechanical Drawing:
  circle w1: c6.223,48.022 r0.435
  circle w0.25: c5.922,9.16 r1.625
  circle w0.25: c36.322,9.16 r1.625
  circle w0.25: c36.322,37.66 r1.625
  circle w0.25: c5.922,37.66 r1.625
  lines w1: 57.658,55.499 0.635,55.499 0.635,0.635 64.77,0.635 ; 57.758,55.499 cw(c58.52,40.894) 73.125,41.656 cw(c69.569,34.163) 77.062,30.607 cw(c71.347,25.654) 76.3,19.939 cw(c69.251,17.081) 72.109,10.033 cw(c63.79,8.954) 64.87,0.635
  text "MECHANICAL DRAWING OF SMAQ" at 0.5,91.75 h3.8
  text "Units are in mm" at 61.204,86.879 h2.5

## Dimensions
0.635,55.499 to 78.91,25.654 on Mechanical Drawing
63.79,8.954 to 62.75,3.95 on Mechanical Drawing
69.251,17.081 to 69.6,16.6 on Mechanical Drawing
71.347,25.654 to 72.2,26.725 on Mechanical Drawing
69.569,34.163 to 69.1,33.05 on Mechanical Drawing
58.52,40.894 to 63.375,49.05 on Mechanical Drawing
6.223,48.022 to 0.635,55.499 on Mechanical Drawing
5.922,37.66 to 11.325,32.325 on Mechanical Drawing
36.322,39.285 to 36.322,7.535 on Mechanical Drawing
35.173,38.809 to 5.922,39.285 on Mechanical Drawing
0.635,55.499 to 58.52,55.519 on Mechanical Drawing
0.635,0.635 to 0.635,55.499 on Mechanical Drawing

## Text inside footprints (layer, text, board x,y; h text height)
HDR1: Top Overlay "1" at 3.6,47.125 h1.52
OLED: Top Overlay "1" at 3.938,40.925 h1.5